# Altium PCB AutoinformerPCB.PcbDoc (part 2 of 2) (continued)
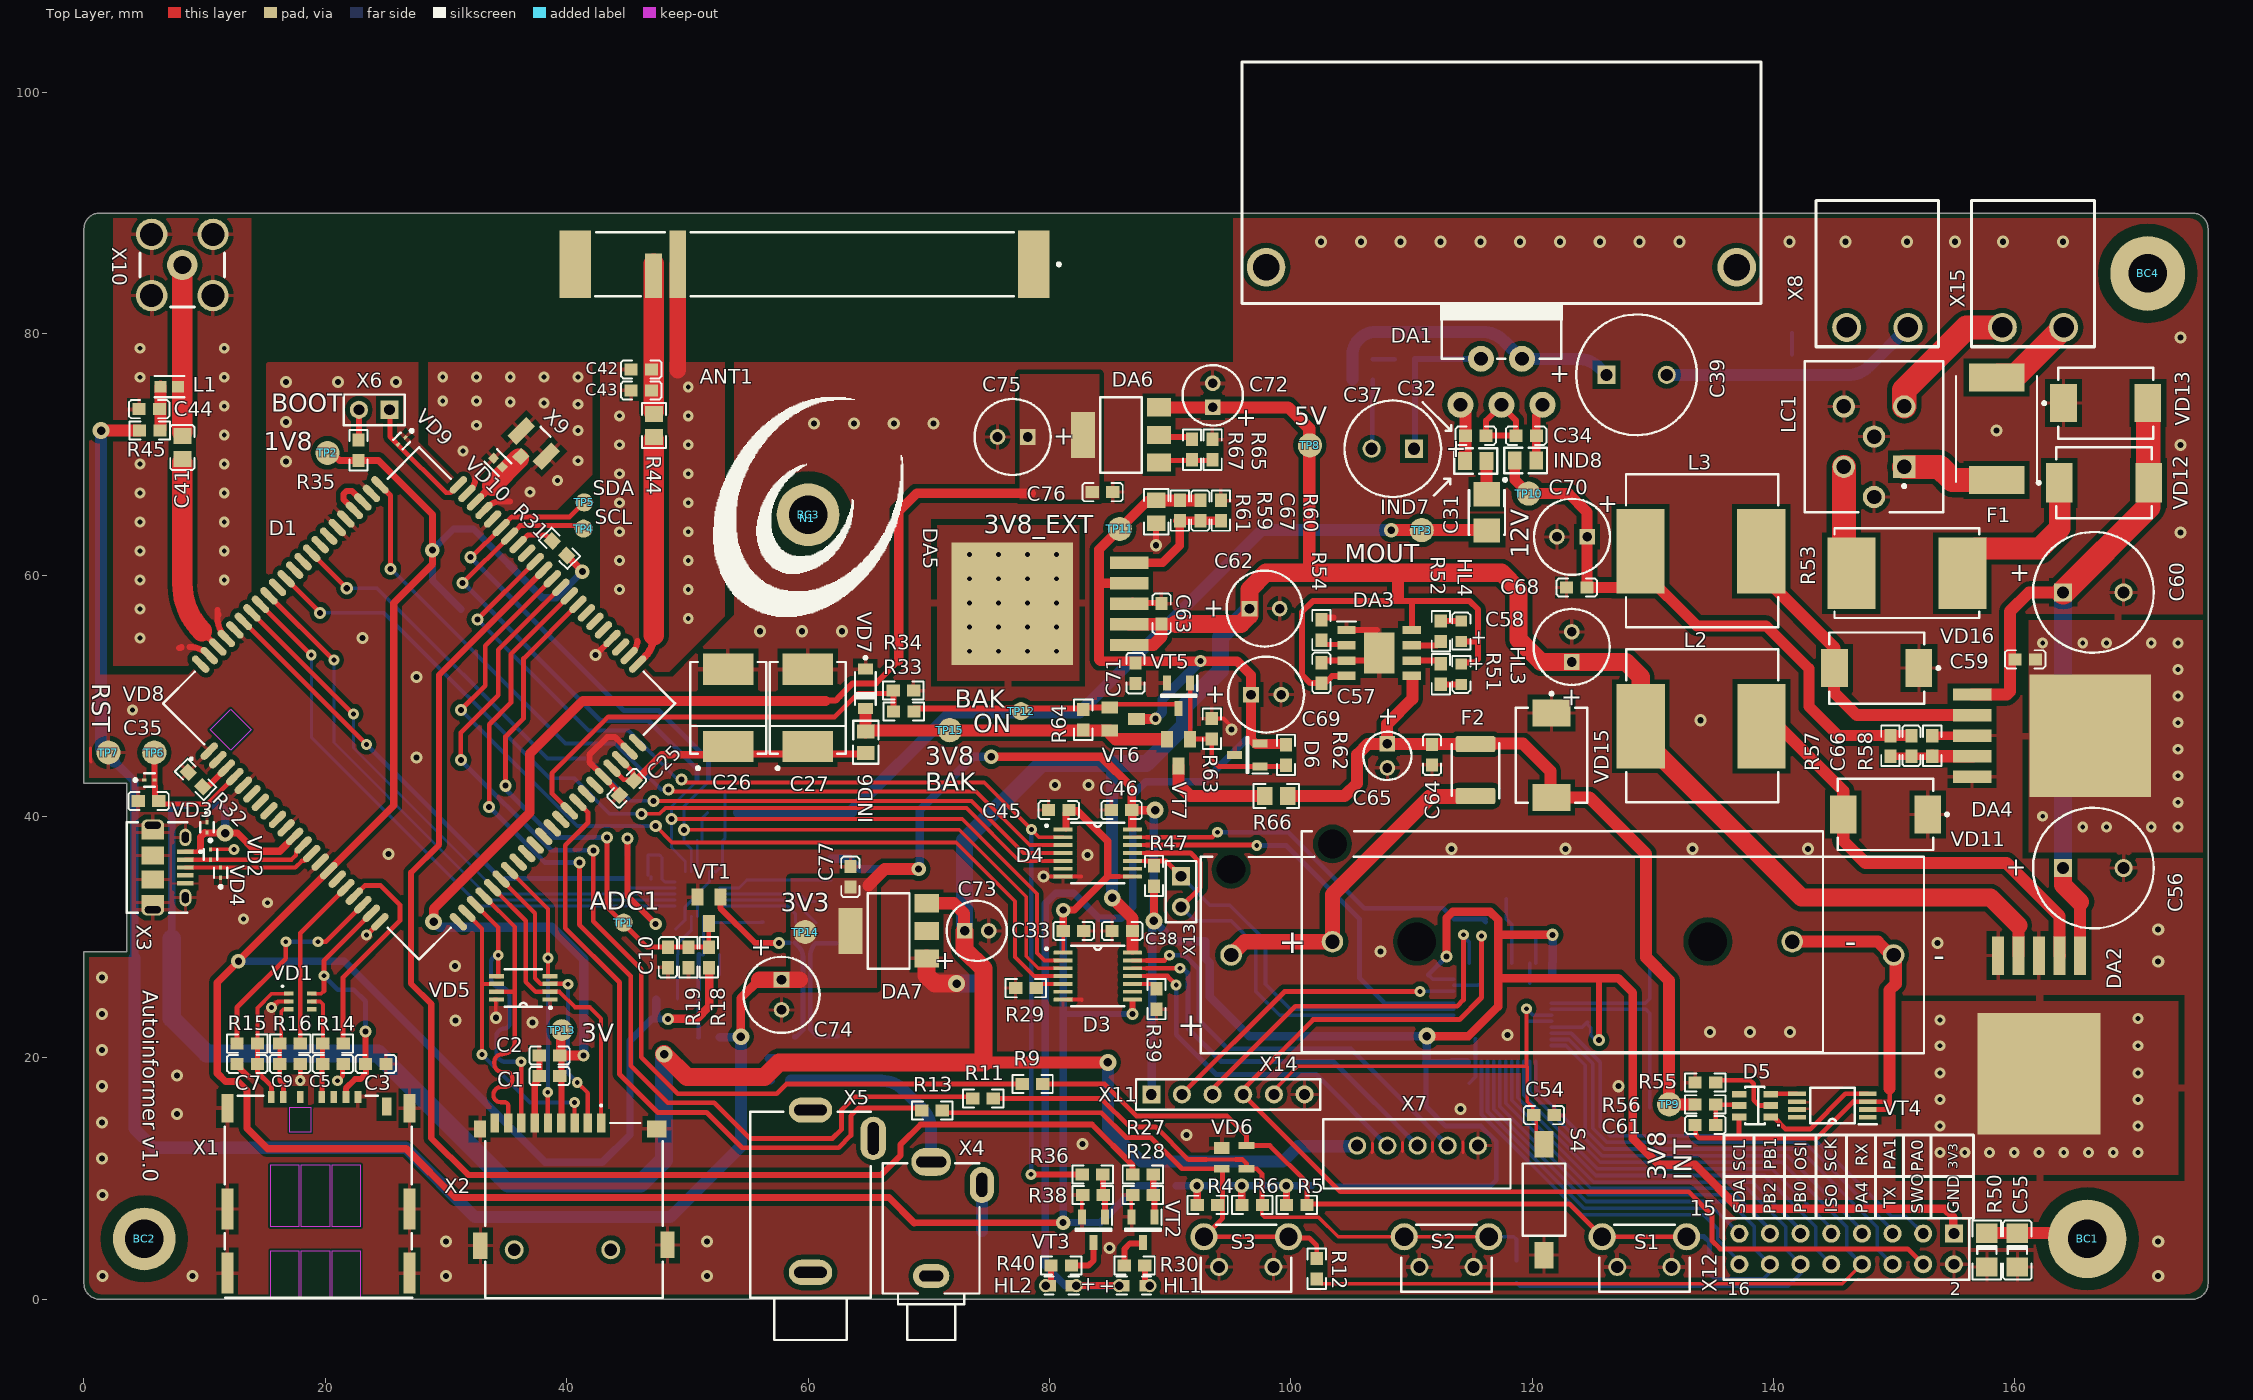
[diagram p0: Top Layer view]
## Nets (pads, with @x,y where several pads share a name; then routed paths per layer and width w, separated by ;. In a path a pad name is that pad's centre, name@x,y a point inside that pad or via, vN(x,y) a via of type N, cw(c..) or ccw(c..) an arc to the next point about the centre after c; other vN are vias at no path point) (continued)
  Bottom Layer w0.25: 58.305,32.57 58.975,31.9 C22.2@58.975,31.225
NetC23_2: C23.2 D2.19 | length 8.8
  Bottom Layer w0.24: D2.19@52.671,33.07 58.78,33.07 C23.2@60.65,31.2
NetC25_1: C25.1 C26.1 C27.1 D1.38 D1.39 IND6.1 | length 24.4
  Top Layer w0.4: D1.38@43.754,44.004 44.707,43.05 C25.1@45.8,43.05 ; D1.39@44.461,44.711 45.5,43.672 C25.1@45.5,43.075
  Top Layer w0.6: C25.1@45.8,43.05 47.875,45.125 53.325,45.125 53.375,45.175 59.975,45.175 59.985,45.185 IND6.1@64.775,45.185
NetC28_2: C28.2 D2.18 | length 8.2
  Bottom Layer w0.24: D2.18@52.671,33.57 59.305,33.57
  Bottom Layer w0.25: 59.305,33.57 59.9,32.975 C28.2@60.575,32.975
NetC29_2: C29.2 C30.2 D2.13 | length 5.1
  Bottom Layer w0.24: D2.13@50.82,35.421 C29.2@50.82,38
  Bottom Layer w0.25: C29.2@51.225,38 51.225,39.875 C30.2@51.675,40.325
NetC31_1: C31.1 IND7.1 | length 2.8
  Top Layer w1: IND7.1@116.215,69.45 116.215,66.735 C31.1@116.25,66.7 ; C31.1@116.22,66.58 C31.1@116.25,66.55
NetC32_1: C32.1 DA1.1 IND7.2 | length 4.4
  Top Layer w1: DA1.1@114.175,73.676 114.475,73.376 C32.1@114.475,71.55 114.455,71.55 114.455,69.47 IND7.2@114.435,69.45
NetC34_1: C34.1 DA1.5 IND8.2 | length 5
  Top Layer w0.5: IND8.2@120.34,69.5 IND8.2@120.345,69.505 ; C34.1@120.345,71.595 C34.1@120.35,71.6
  Top Layer w0.7: IND8.2@120.345,69.505 C34.1@120.345,71.595 ; C34.1@120.35,71.6 120.35,73.22 120.845,73.715 DA1.5@120.845,74.26
  Top Layer w1: DA1.5@120.845,74.26 DA1.5@120.85,74.265
NetC36_1: C36.1 C39.1 DA1.4 R41.1 | length 25.4
  Bottom Layer w1: R41.1@105.1,76.2 C36.1@105.1,77.9 105.1,78.212 cw(c107.038,78.212) 107.038,80.15 115.873,80.15 cw(c115.873,77.61) 117.669,79.406 DA1.4@119.15,77.925 123.773,77.925 cw(c123.773,75.385) 125.569,77.181 C39.1@126.15,76.6
NetC36_2: C36.2 R37.1 | length 1.8
  Bottom Layer w0.381: C36.2@106.8,77.9 R37.1@108.6,77.9
NetC37_1: C37.1 DA1.2 R37.2 | length 12.9
  Bottom Layer w0.5: C37.1@110.2,70.475 110.3,70.575 R37.2@110.3,77.9 110.312,77.913 115.738,77.913 DA1.2@115.75,77.925
NetC37_2: C37.2 R41.2 R42.1 | length 5.8
  Bottom Layer w0.381: C37.2@106.7,70.475 106.75,70.525 106.75,74.45 R42.1@106.8,74.5 R41.2@106.8,76.2
NetC40_2: C40.2 R43.1 | length 1.8
  Bottom Layer w0.3: C40.2@141.525,78.275 R43.1@141.525,80.1
NetC41_1: C41.1 L1.2 X10.1 | length 13.9
  Top Layer w1.698: C41.1@8.15,71.825 X10.1@8.15,85.7
NetC44_2: C44.2 L1.1 R45.1 | length 3.6
  Top Layer w1: L1.1@6.349,75.625 6.352,75.622 6.352,74.35 6.352,73.8 R45.1@6.352,72.05
NetC50_2: C50.2 DD1.5 Y1.2 | length 16.3
  Bottom Layer w0.3: DD1.5@121.6,24.525 126.025,24.525 129.375,24.525 129.75,24.9 Y1.2@129.75,29.15 C50.2@129.75,32.925
NetC51_2: C51.2 DD1.6 Y1.1 | length 16.1
  Bottom Layer w0.3: DD1.6@121.6,24.025 129.425,24.025 ; 129.425,24.025 129.75,23.7 Y1.1@129.75,19.65 C51.2@129.75,15.875
NetC61_1: C61.1 D5.5 R56.2 | length 3.7
  Top Layer w0.381: C61.1@135.2,14.45 R56.2@135.2,16.15 135.25,16.1 137.1,16.1 D5.5@137.15,16.05
NetC66_2: C66.2 DA4.4 R57.1 R58.2 | length 6.8
  Top Layer w0.6: R57.1@149.675,45.15 R57.1@149.775,45.15 ; R57.1@149.825,44.975 149.838,44.988 153.15,44.988 R58.2@153.225,44.988
  Top Layer w1: R58.2@153.15,45.033 R58.2@153.15,45.05 ; R58.2@153.225,44.992 DA4.4@156.506,44.992
NetC67_2: C67.2 DA5.5 R59.1 R60.2 | length 10.9
  Top Layer w0.7: DA5.5@86.611,61.027 89.377,61.027 90.8,62.45 R59.1@90.8,64.5 ; R60.2@94.2,64.5 C67.2@92.5,64.5 R59.1@90.8,64.5 ; R59.1@90.8,64.5 90.6,64.5 90.8,64.7 R59.1@90.8,64.5
NetD1_62: D1.62 D1.63 | length 3.8
  Top Layer w0.5: D1.63@22.399,65.358 22.399,65.385 21.497,66.287 21.497,66.702 21.773,66.978 22.194,66.978 D1.62@23.106,66.065
NetD3_5: D3.5 R29.1 | length 2.3
  Top Layer w0.3: R29.1@78.9,25.775 79.25,26.125 D3.5@81.055,26.125
NetD3_10: D3.10 R39.1 | length 2.1
  Top Layer w0.3: D3.10@86.87,26.125 88.4,26.125 88.75,25.775 R39.1@88.75,25.725
NetD5_1: D5.1 VT4.4 | length 9.7
  Top Layer w0.38: 145.95,17.025 VT4.4@147.813,17.025
  Top Layer w0.4: D5.1@139.75,15.1 140,15.1 141,14.1 143.025,14.1 145.95,17.025
NetD5_2: D5.2 R55.1 | length 6.3
  Top Layer w0.381: R55.1@135.1,18.15 138.05,18.15 138.35,17.85 138.35,16.473 138.773,16.05 D5.2@139.75,16.05
NetD5_3: D5.3 VT4.5 | length 2.2
  Top Layer w0.38: D5.3@139.775,17.024 VT4.5@141.937,17.025
NetD6_1: D6.1 R62.1 R63.1 VT5.1 VT7.1 | length 14.3
  Top Layer w0.381: VT7.1@91.65,46.4 91.675,46.425 R63.1@93.45,46.425 93.45,44.675 93.985,44.14 D6.1@97.45,44.14 99.545,44.14 R62.1@99.6,44.195 ; VT7.1@91.65,46.6 VT7.1@91.655,46.605 ; VT5.1@91.655,50.845 VT7.1@91.655,46.605 ; VT7.1@91.69,46.64 VT7.1@91.655,46.605
NetDA2_2: DA2.2 L2.1 VD11.2 | length 38.9
  Top Layer w1: L2.1@139,47.475 139,45.975 140.325,47.3 140.6,47.3 145.775,42.125 VD11.2@145.775,40.175 145.775,38 147.625,36.15 159.3,36.15 163.7,31.75 DA2.2@163.7,28.475 DA2.2@163.721,28.496
NetDA3_2: DA3.2 R54.2 | length 2.4
  Top Layer w0.381: R54.2@102.275,54.25 104.548,54.25 DA3.2@104.613,54.185
NetDA3_6: DA3.6 R51.1 | length 2.7
  Top Layer w0.381: DA3.6@110.02,52.933 DA3.6@110.037,52.915 ; R51.1@112.308,52.933 112.325,52.95 R51.1@112.725,52.95
  Top Layer w0.5: DA3.6@110.02,52.933 R51.1@112.308,52.933
NetDA3_7: DA3.7 R52.1 | length 2.8
  Top Layer w0.381: R52.1@112.375,54.55 R52.1@112.607,54.782
  Top Layer w0.5: DA3.7@110.037,54.185 112.11,54.185 R52.1@112.425,54.5
NetDA4_2: DA4.2 L3.1 VD16.2 | length 24.5
  Top Layer w1: L3.1@138.975,61.975 L3.1@139.025,61.925 ; L3.1@140.05,60.4 140.05,58.975 145.05,53.975 VD16.2@145.05,52.3 145,52.25 145,50.3 146.902,48.398 DA4.2@156.45,48.398
NetDA6_1: DA6.1 R65.2 R67.1 | length 4.6
  Top Layer w0.381: DA6.1@89.375,69.739 89.614,69.5 91.825,69.5 93.075,69.5 93.35,69.775 R65.2@93.525,69.95 ; R65.2@93.525,69.55 R65.2@93.725,69.55
NetF1_2: F1.2 LC1.1 | length 8.1
  Top Layer w2: LC1.1@150.825,68.975 153.725,68.975 154.825,67.875 F1.2@158.475,67.875
NetHL1_2: HL1.2 R30.2 | length 1.7
  Top Layer w0.5: HL1.2@87.9,1.125 R30.2@87.9,2.8
NetHL2_2: HL2.2 R40.2 | length 1.7
  Top Layer w0.5: HL2.2@80.1,1.125 80.113,1.138 80.113,2.788 R40.2@80.125,2.8
NetHL3_2: HL3.2 R51.2 | length 1.7
  Top Layer w0.5: R51.2@112.425,50.95 HL3.2@114.125,50.95
NetHL4_2: HL4.2 R52.2 | length 1.7
  Top Layer w0.5: R52.2@112.425,56.2 HL4.2@114.125,56.2
NetLC1_2: LC1.2 R53.1 | length 9.1
  Top Layer w1: R53.1@145.825,60.775 R53.1@146.45,60.15
  Top Layer w2: R53.1@145.825,60.775 LC1.2@145.825,68.975
NETLIGHT: D1.51 R27.1 | length 116.2
  Top Layer w0.5: D1.51@38.097,60.409 29.425,51.737 29.425,37.675 27.1,35.35 27.1,26.15 28.775,24.475 28.775,13.35 31.825,10.3 66.05,10.3 67.675,11.925 67.675,12.825 69.325,14.475 83.525,14.475 86.9,11.1 R27.1@86.9,10.275
NetR1_1: R1.1 R4.2 R5.2 R6.2 R7.2 | length 16
  Top Layer w0.6: v4@92.2,9.4 92.237,9.363 92.237,7.837 R4.2@92.25,7.825 ; v4@95.9,9.4 95.937,9.363 95.937,7.837 R6.2@95.95,7.825 ; v4(99.625,9.4) 99.637,9.388 99.637,7.837 R5.2@99.65,7.825
  Bottom Layer w0.6: R1.1@90.5,9.4 v4(92.225,9.4) v4(95.925,9.4) v4(99.625,9.4) R7.2@101.7,9.4
NetR2_2: R2.2 X4.3 | length 3.8
  Bottom Layer w1: R2.2@74.4,5.65 X4.3@74.4,9.475
NetR3_2: R3.2 X4.2 | length 16.6
  Bottom Layer w1: R3.2@58.6,18.125 66.098,18.125 ; 66.098,18.1 cw(c66.098,15.56) 67.894,17.356 69.458,15.792 cw(c67.665,14) 70.2,14 X4.2@70.2,11.375 X4.2@70.2,11.125
NetR4_1: R4.1 R12.2 R13.2 S3.3 S3.4 VD6.2 | length 42.3
  Top Layer w0.4: R13.2@71.125,15.65 71.325,15.45 84.3,15.45 86.35,13.4 88.4,13.4 90.985,10.815 VD6.2@94.275,10.815 94.35,10.74 94.35,6.725 S3.3@92.8,5.175 S3.4@99.8,5.175 99.9,5.075 101.525,5.075 102.15,4.45 R12.2@102.15,3.375 R12.2@102.15,3.3
NetR5_1: R5.1 R8.2 R9.2 S1.3 S1.4 VD6.4 | length 63
  Top Layer w0.4: R9.2@79.45,17.825 84.575,17.825 87.225,15.175 94.725,15.175 96.325,13.575 VD6.4@96.325,12.735 98.265,12.735 101.35,9.65 R5.1@101.35,8 ; R5.1@101.35,7.9 123.075,7.9 S1.3@125.8,5.175 S1.4@132.8,5.175
  Bottom Layer w0.4: S1.4@132.8,5.175 132.825,5.2 134.225,5.2 134.7,4.725 R8.2@134.7,3.8
NetR6_1: R6.1 R10.2 R11.2 S2.3 S2.4 VD6.3 | length 52.2
  Top Layer w0.3: 93,11.575 95.4,11.575 ; R6.1@97.65,8 97.6,7.95 97.6,7 97.8,6.8 102.3,6.8 103.925,5.175 S2.3@109.4,5.175 S2.4@116.4,5.175
  Top Layer w0.4: R11.2@75.35,16.625 84.3,16.625 86.65,14.275 88.8,14.275 91.5,11.575 93,11.575 ; 95.4,11.575 96,11.575 96.325,11.25 VD6.3@96.325,10.815 97.185,10.815 97.6,10.4 97.6,8.05 R6.1@97.65,8
  Bottom Layer w0.3: S2.4@116.4,5.175 118.475,5.175 118.7,4.95 R10.2@118.7,3.2
NetR27_2: R27.2 R28.2 VT2.1 | length 3.6
  Top Layer w0.5: R27.2@88.6,10.325 R28.2@88.6,8.625 R28.2@88.655,8.57 ; VT2.1@88.655,6.78 VT2.1@88.71,6.725 ; VT2.1@88.705,6.78 R28.2@88.705,8.57
NetR30_1: R30.1 VT2.3 | length 3.1
  Top Layer w0.5: R30.1@86.2,2.8 86.2,4.15 86.675,4.625 VT2.3@87.75,4.625
NetR35_2: R35.2 X6.2 | length 2.5
  Top Layer w0.3: R35.2@22.75,71.2 R35.2@22.78,71.23
  Top Layer w0.5: R35.2@22.78,71.23 X6.2@22.78,73.7
NetR36_2: R36.2 R38.2 VT3.1 | length 3.6
  Top Layer w0.4: R36.2@84.425,10.325 R36.2@84.438,10.313 ; R38.2@84.45,8.625 R38.2@84.61,8.465
  Top Layer w0.5: R36.2@84.425,10.325 84.425,8.65 R38.2@84.45,8.625 ; VT3.1@84.61,6.8 R38.2@84.61,8.465
NetR40_1: R40.1 VT3.3 | length 3.5
  Top Layer w0.5: R40.1@81.825,2.8 83.25,2.8 83.65,3.2 VT3.3@83.65,4.7
NetR53_2: R53.2 VD12.A | length 14
  Top Layer w1.8: R53.2@155.65,60.15 155.65,61.1 156.75,62.2 162.025,62.2 163.725,63.9 163.725,67.6 VD12.A@163.675,67.65
NetR66_1: R66.1 VT7.3 | length 9.1
  Top Layer w1: VT7.3@90.7,44.2 90.7,42.65 91.65,41.7 R66.1@97.85,41.7
NRST: C54.1 DD1.7 S4.1 X11.5 | length 36.8
  Top Layer w0.3: X11.5@98.575,16.975 98.575,17.3 100.575,19.3 119.6,19.3 ; v1(119.525,24.075) 119.525,19.375 119.6,19.3 ; C54.1@120.05,15.25 120.05,15.925 119.6,16.375 119.6,19.3 ; C54.1@120.325,14.975 120.325,12.65 S4.1@120.975,12
  Bottom Layer w0.3: v1(119.525,24.075) 120.075,23.525 DD1.7@121.6,23.525
PA0: DD1.10 X12.3 | length 40.8
  Bottom Layer w0.3: DD1.10@121.6,22.025 123.25,22.025 125.625,19.65 125.625,14.35 126.425,13.55 143.1,13.55 149.775,6.875 150.965,6.875 X12.3@152.4,5.44
PA1: DD1.11 X12.5 | length 38.2
  Bottom Layer w0.3: DD1.11@121.6,21.525 123.025,21.525 125.025,19.525 125.025,14.175 126.2,13 142.575,13 149.86,5.715 X12.5@149.86,5.44
PA4: DD1.14 R12.1 X12.8 | length 83.1
  Top Layer w0.3: R12.1@102.15,1.675 102.55,1.275 145.695,1.275 X12.8@147.32,2.9
  Bottom Layer w0.3: DD1.14@119.8,19.725 119.8,17.185 125.635,11.35 140.7,11.35 146.05,6 146.05,4.17 X12.8@147.32,2.9
PB0: DD1.18 R10.1 X12.12 | length 59.4
  Bottom Layer w0.3: DD1.18@117.8,19.725 117.8,16.25 124.85,9.2 137.8,9.2 141,6 141,4.14 X12.12@142.24,2.9 142.24,2.115 141.225,1.1 118.975,1.1 R10.1@118.7,1.375
PB1: DD1.19 X12.13 | length 30.7
  Bottom Layer w0.3: DD1.19@117.3,19.725 117.3,15.989 124.639,8.65 136.825,8.65 139.7,5.775 X12.13@139.7,5.44
PB2: DD1.20 R8.1 X12.14 | length 39.4
  Bottom Layer w0.3: DD1.20@116.8,19.725 116.8,15.782 124.482,8.1 136.325,8.1 138.4,6.025 138.4,4.2 X12.14@139.7,2.9 139.7,2.225 139.175,1.7 135.088,1.7 134.7,2.088 R8.1@134.612,2.088
PCM_CLK: D1.76 D2.9 R25.1 | length 45.6
  Top Layer w0.4: D1.76@13.207,56.166 v1(23.398,45.975)
  Bottom Layer w0.24: 45.33,34.07 D2.9@48.969,34.07
  Bottom Layer w0.25: R25.1@45.05,35.1 45.05,34.35 45.33,34.07
  Bottom Layer w0.4: v1(23.398,45.975) 34.523,34.85 44.8,34.85 R25.1@45.05,35.1
PCM_IN: D1.74 D2.6 | length 48.7
  Top Layer w0.25: v1@18.823,53.378 v1(18.836,53.378)
  Top Layer w0.4: D1.74@14.621,57.58 v1@18.823,53.378
  Bottom Layer w0.24: v1(18.836,53.378) 18.836,46.564 29.238,36.163 32.83,32.57 D2.6@48.969,32.57
PCM_OUT: D1.73 D2.7 | length 48.1
  Top Layer w0.3: v1@20.638,52.978 v1(20.705,52.978)
  Top Layer w0.4: D1.73@15.328,58.287 v1@20.638,52.978
  Bottom Layer w0.24: v1(20.705,52.978) 20.705,46.12 29.675,37.15 33.755,33.07 D2.7@48.969,33.07
PCM_SYNC: D1.75 D2.8 | length 46.4
  Top Layer w0.4: D1.75@13.914,56.873 22.287,48.5 v1(22.328,48.5)
  Bottom Layer w0.24: v1(22.328,48.5) 22.328,45.672 34.43,33.57 D2.8@48.969,33.57
PWRKEY: D1.3 R32.1 | length 2.5
  Top Layer w0.5: R32.1@9.926,42.599 9.961,42.564 10.352,42.564 D1.3@11.792,44.004
RESET: C35.1 D1.4 TP6.1 VD8.2 | length 11.6
  Top Layer w0.4: C35.1@6.125,41.275 6.375,41.025 10.228,41.025 D1.4@12.5,43.297
  Top Layer w0.5: TP6.1@5.825,45.3 5.845,45.28 VD8.2@5.845,43.025 5.845,42.58 5.9,42.525 5.9,41.525 6.15,41.275 C35.1@6.2,41.275
SD_CLK: D1.26 VD5.4 X2.5 | length 24.4
  Top Layer w0.35: D1.26@35.268,35.518 38.45,32.337 v1(38.45,28.275) 38.45,26.768 38.453,26.765 VD5.4@38.61,26.765 ; X2.5@38.4,14.75 38.475,14.825 38.4,14.9 38.425,14.925 38.4,14.95 38.45,15 38.425,15.025 v1(38.425,17.15)
  Top Layer w0.381: X2.5@38.4,14.75 X2.5@38.45,14.7
  Bottom Layer w0.35: v1(38.425,17.15) v1@38.425,17.056 ; v1(38.45,28.275) v1@38.45,17.031 ; v1@38.5,17.05 ccw(c38.5,16.975) v1@38.45,17.031 ; v1@38.425,17.056 v1@38.45,17.031 ; v1@38.425,17.056 38.425,16.975 cw(c38.5,16.975) v1@38.45,17.031
SD_CMD: D1.21 VD5.6 X2.3 | length 24.5
  Top Layer w0.35: D1.21@31.733,31.983 31.733,31.942 32.975,30.7 32.975,26.125 ; v1(32.975,20.275) 32.975,26.125 ; VD5.6@34.19,26.13 32.98,26.13 32.975,26.125 ; X2.3@40.65,14.6 v1(40.65,16.3)
  Bottom Layer w0.35: v1(32.975,20.275) 36.95,16.3 v1(40.65,16.3)
SD_D0: D1.22 VD5.5 X2.7 | length 24.4
  Top Layer w0.35: D1.22@32.44,32.69 34.325,30.805 v1(34.325,28.5) VD5.5@34.325,26.765 ; VD5.5@34.19,26.765 VD5.5@34.325,26.765 ; VD5.5@34.472,26.765 VD5.5@34.325,26.765 ; v1(36.225,19.675) 36.225,14.725 X2.7@36.25,14.7
  Bottom Layer w0.35: v1(34.325,28.5) ccw(c34.325,27.9) 33.725,27.9 33.725,26.625 ccw(c34.5,26.625) 34.5,25.85 cw(c34.5,25.1) 35.25,25.1 35.25,22.85 cw(c34.825,22.85) 34.825,22.425 ccw(c34.825,21.775) 34.175,21.775 34.175,20.425 ccw(c34.925,20.425) 34.925,19.675 v1(36.225,19.675)
SD_D1: D1.23 VD5.7 X2.8 | length 25.2
  Top Layer w0.35: D1.23@33.147,33.397 35.7,30.844 35.7,21.35 cw(c34.65,21.35) 34.65,20.3 ccw(c34.65,19.65) 34,19.65 34,19.506 ccw(c34.681,19.506) 34.681,18.825 34.975,18.825 cw(c34.975,18.3) 35.5,18.3 35.5,18.2 cw(c34.9,18.2) 34.9,17.6 34.6,17.6 ccw(c34.6,16.925) 33.925,16.925 ccw(c34.525,16.925) 34.525,16.325 34.85,16.325 cw(c34.85,16.025) 35.15,16.025 X2.8@35.15,14.6 ; VD5.7@34.19,25.47 35.675,25.47
SD_D2: D1.24 VD5.2 X2.1 | length 25
  Top Layer w0.35: D1.24@33.854,34.104 36.6,31.358 36.6,26.3 37.43,25.47 VD5.2@38.61,25.47 39.405,25.47 40.675,24.2 41.9,24.2 42.85,23.25 X2.1@42.85,14.7
SD_D3: D1.25 VD5.3 X2.2 | length 24.5
  Top Layer w0.35: D1.25@34.561,34.811 34.561,34.802 37.375,31.988 37.375,26.6 37.845,26.13 VD5.3@38.61,26.13 38.613,26.133 40.067,26.133 v1(40.1,26.1) ; v1(40.875,17.95) 41.75,17.075 X2.2@41.75,14.6
  Bottom Layer w0.35: v1(40.1,26.1) 40.1,18.725 v1(40.875,17.95)
SPEAKER: C39.2 C40.1 X8.2 | length 21.5
  Bottom Layer w1: C39.2@131.15,76.6 ccw(c131.21,76.66) 131.21,76.575 135.325,76.575 146.138,76.575 ccw(c146.138,79.115) 147.934,77.319 X8.2@151.14,80.525
SPI1_MISO: DD1.16 X12.10 | length 35.8
  Bottom Layer w0.3: DD1.16@118.8,19.725 118.8,16.707 125.257,10.25 139.25,10.25 143.5,6 143.5,4.18 X12.10@144.78,2.9
SPI1_MOSI: DD1.17 X12.11 | length 31.9
  Bottom Layer w0.3: DD1.17@118.3,19.725 118.3,16.5 125.1,9.7 138.275,9.7 142.24,5.735 X12.11@142.24,5.44
SPI1_SCK: DD1.15 X12.9 | length 33.3
  Bottom Layer w0.3: DD1.15@119.3,19.725 119.3,16.914 125.414,10.8 139.85,10.8 144.78,5.87 X12.9@144.78,5.44
SWCLK: DD1.37 X11.3 | length 32.3
  Top Layer w0.4: X11.3@93.495,16.975 93.495,17.395 100.375,24.275 113.775,24.275 114.3,24.8 v1(114.3,30.2)
  Bottom Layer w0.3: v1(114.3,30.2) 114.3,30.065 114.8,29.565 DD1.37@114.8,27.825
SWDIO: DD1.34 X11.2 | length 26.1
  Top Layer w0.4: X11.2@90.955,16.975 99.48,25.5 v1(110.7,25.5)
  Bottom Layer w0.3: v1(110.7,25.5) 110.725,25.525 DD1.34@113.5,25.525
SWO: DD1.39 X11.4 X12.4 | length 94.4
  Top Layer w0.4: v1(115.8,30.1) 115.8,25 113.975,23.175 101.85,23.175 95.855,17.18 95.843,17.167 104.11,8.9 132.975,8.9 134.9,6.975 134.9,4.85 135.575,4.175 151.125,4.175 X12.4@152.4,2.9 X12.4@152.3,2.9
  Bottom Layer w0.3: DD1.39@115.8,27.825 v1(115.8,30.1)
UART_RX: D1.68 D4.4 | length 72.6
  Top Layer w0.32: v2(47.2,41.3) 47.21,41.29 73.535,41.29 77.85,36.975 D4.4@81.13,36.975
  Top Layer w0.4: D1.68@18.864,61.823 v2(21.773,58.913)
  Bottom Layer w0.32: v2(21.773,58.913) 24.287,58.913 38.4,44.8 41.775,44.8 45.275,41.3 v2(47.2,41.3)
UART_RX_3V3: D4.11 DD1.30 R46.2 X13.2 | length 38.8
  Top Layer w0.32: D4.11@86.87,36.975 88.025,36.975
  Top Layer w0.4: 88.025,36.975 91.7,36.975 92.5,36.175 92.5,34.105 X13.2@90.9,32.505
  Bottom Layer w0.3: X13.2@90.9,32.505 92.055,31.35 R46.2@92.925,31.35 95.05,31.35 97.1,29.3 97.1,25.5 99.075,23.525 DD1.30@113.5,23.525
UART_TX: D1.71 D4.5 | length 74.5
  Top Layer w0.32: v2(46.2,40.225) 47.7,40.225 48.175,40.7 73.125,40.7 77.5,36.325 D4.5@81.13,36.325
  Top Layer w0.4: D1.71@16.749,59.701 v2(19.573,56.878)
  Bottom Layer w0.32: v2(19.573,56.878) 24.872,56.878 38.575,43.175 40.6,43.175 43.55,40.225 v2(46.2,40.225)
UART_TX_3V3: D4.10 DD1.31 R47.2 X13.1 | length 33.8
  Top Layer w0.32: D4.10@86.87,36.325 88.025,36.325
  Top Layer w0.4: 88.025,36.325 89.62,36.325 X13.1@90.9,35.045
  Bottom Layer w0.3: X13.1@90.9,35.045 93.295,32.65 94.95,32.65 97.9,29.7 97.9,26.1 99.975,24.025 DD1.31@113.5,24.025
USART2_RX: DD1.13 X12.7 | length 34.5
  Bottom Layer w0.3: DD1.13@120.3,19.725 120.3,17.393 125.793,11.9 141.15,11.9 147.32,5.73 X12.7@147.32,5.44
USART2_TX: DD1.12 X12.6 | length 40
  Bottom Layer w0.3: DD1.12@121.6,21.025 122.775,21.025 124.4,19.4 124.4,14.025 125.975,12.45 142.125,12.45 148.6,5.975 148.6,4.16 X12.6@149.86,2.9
USB_N: D1.12 VD2.2 X3.2 | length 10.4
  Top Layer w0.35: X3.2@8.4,36.425 10.2,36.425 17.2,36.425 17.573,36.798 17.573,37.056 D1.12@18.156,37.64
USB_P: D1.13 VD4.2 X3.3 | length 10.9
  Top Layer w0.35: X3.3@8.4,35.775 11.275,35.775 11.45,35.775 17.5,35.775 18.053,36.328 18.259,36.328 D1.13@18.864,36.933
USIM_CLK: D1.19 R15.1 | length 17.8
  Top Layer w0.4: R15.1@12.675,21.175 12.675,24.175 16.725,28.225 v1(16.725,29.625) ; v1(19.4,29.625) 20.041,29.625 D1.19@23.106,32.69
  Bottom Layer w0.4: v1(16.725,29.625) v1(19.4,29.625)
USIM_DATA: D1.17 R16.1 | length 14.5
  Top Layer w0.4: R16.1@17.925,21.175 17.925,30.337 D1.17@21.692,34.104
USIM_DET: D1.53
USIM_RST: D1.18 R14.1 | length 18.3
  Top Layer w0.4: R14.1@21.475,21.175 21.475,26.68 26.173,31.378 26.173,32.678 24.573,34.278 23.28,34.278 D1.18@22.399,33.397
USIM_VDD: C3.1 D1.20 VD1.6 X1.C1 | length 22.4
  Top Layer w0.3: VD1.6@18.875,25.325 19.662,25.325 19.875,25.538
  Top Layer w0.4: 19.875,25.538 v1(19.875,26.8) 19.875,28.045 D1.20@23.813,31.983 23.813,31.929 D1.20@23.774,31.929
  Top Layer w0.5: X1.C1@21.71,16.775 21.7,16.785 21.7,17.475 22.475,18.25 22.925,18.25 23.35,18.675 23.35,19.475 C3.1@23.325,19.5 v2(23.325,22.2)
  Bottom Layer w0.4: v1(19.875,26.8) 21.025,25.65 22.35,25.65 23.325,24.675 v2(23.325,22.2)
pads on no net: ANT1.1 ANT1.4 BC2.1 BC3.1 BC4.1 D1.6 D1.7 D1.8 D1.9 D1.16 D1.27 D1.28 D1.29 D1.30 D1.31 D1.32 D1.35 D1.36 D1.42 D1.44 D1.45 D1.66 D1.67 D1.69 D1.70 D1.72 D1.83 D1.84 D1.86 D2.14 D2.16 D3.6 D3.9 D4.6 D4.9 D5.4 DA1.19 DA1.20 DD1.2 DD1.3 DD1.4 DD1.25 DD1.26 DD1.27 DD1.28 DD1.29 DD1.33 DD1.38 DD1.40 DD1.41 DD1.45 DD1.46 VD1.4 VT4.1 VT4.8 X1.C6 X1.CD X1.CDL X2.9 X2.14 X2.15 X3.4 X5.1 X5.2 X5.3 X14.MH

## Polygon pours and split planes (outlines as drawn)
GND on Top Layer "BOARD_GND" (solid, remove dead copper, pour order 28): 1.3,89.575 1.3,51.725 8.65,51.725 15.1,58.175 15.1,77.65 27.7,77.65 27.7,71.065 47.165,51.6 48.775,51.6 53.875,56.7 53.875,77.649 74.825,77.65 95.25,77.649 95.25,89.575 174.4,89.575 cw(c174.4,88.4) 175.575,88.4 175.575,1.71 cw(c174.102,1.912) 174.102,0.425 1.5,0.425 cw(c1.5,1.5) 0.425,1.5 0.425,28.35 3.95,28.35 3.95,43.2 0.425,43.2 0.425,88.55 cw(c1.834,88.233)
GND on Top Layer "LM-12_GND" (solid, remove dead copper, pour order 38): 161.15,56.25 175.5,56.25 175.5,37.025 161.15,37.025
MAIN_GND on Top Layer "MAIN_GND" (solid, remove dead copper, pour order 34): 42.775,77.65 53.075,77.65 53.075,56.6 50.55,54.075 48.225,51.75 46.075,51.75 42.775,55.05
GNSS_GND on Top Layer "GNSS_GND" (solid, remove dead copper, pour order 30): 2.425,89.575 13.875,89.575 13.875,55.55 10.825,52.5 2.425,52.5
3V on Top Layer "Top Layer-3V" (solid, remove dead copper, pour order 14): 84.125,76.65 84.125,66.3 77.525,66.3 77.525,76.65
3V3 on Top Layer "3V3_L01_P000" (solid, remove dead copper, pour order 0): 65.675,25.8 65.675,34.9 58.575,34.9 58.575,25.8
AUX_GND on Top Layer "AUX_GND_POLY" (solid, remove dead copper, pour order 42): 42.1,77.65 42.1,70.614 42.1,68.325 36.048,62.274 28.525,70.016 28.525,77.65
GND on Top Layer "LM-5_GND" (solid, remove dead copper, pour order 40): 173.525,24.675 173.525,11.775 173.525,10.325 150.625,10.325 150.625,24.675
GND on Top Layer "Top Layer-GND" (solid, remove dead copper, pour order 16): 82.45,64.15 70.7,64.15 70.7,51.25 82.45,51.25
GND on Bottom Layer "BOARD_BOT_GND" (solid, remove dead copper, pour order 36): 0.389,88.879 cw(c1.565,88.284) 1.3,89.575 1.3,52.35 8.18,52.35 9.324,53.426 10.888,51.863 13.275,54.25 11.863,55.663 14.575,58.375 14.575,77.65 27.925,77.65 27.925,71.575 31.9,67.6 31.187,66.887 33.3,64.775 34.18,65.655 34.889,65.05 39.353,65.05 42.416,68.275 42.862,68.275 42.862,63.73 42.862,56.912 48.437,51.337 53.7,56.6 53.7,77.65 95.25,77.625 95.25,89.575 174.525,89.575 cw(c174.525,88.525) 175.575,88.525 175.575,1.45 cw(c174.55,1.45) 174.55,0.425 1.299,0.425 cw(c1.301,1.426) 0.3,1.426 0.298,28.65 3.65,28.65 3.65,42.9 0.32,42.9
AGND on Bottom Layer "AUDIO_GND" (solid, remove dead copper, pour order 20): 55,0.425 55,20.075 44.275,20.075 44.275,44.9 63.325,44.9 69.768,51.343 80.818,51.343 95.975,66.5 95.975,83.075 153.55,83.075 153.55,74.975 143.85,74.975 143.85,71.65 111.975,71.65 111.975,61.439 99.207,61.439 82.05,43.675 77.7,43.675 77.7,0.425
AUX_GND on Bottom Layer "AUX_GND_BOT_POLY" (solid, remove dead copper, pour order 44): 35.4,77.65 42.1,77.65 42.1,70.7 42.1,68.305 39.245,65.45 34.6,65.45 34.15,65.9 33.361,65.111 31.461,67.011 32.15,67.7 28.525,71.325 28.525,77.65
MAIN_GND on Bottom Layer "MAIN_GND_BOT" (solid, remove dead copper, pour order 26): 43.1,77.65 43.1,56.875 45.525,54.45 44.075,53 45.538,51.538 47.143,53.143 48.393,51.893 50.475,53.975 53.1,56.6 53.1,77.65
GNSS_GND on Bottom Layer "Bottom Layer-GND 2" (solid, remove dead copper, pour order 22): 2.425,89.575 13.975,89.575 13.975,58.4 11.375,55.8 12.875,54.3 10.838,52.263 9.3,53.8 8,52.5 2.425,52.5 2.425,53.8

## Other copper
Top Layer:
  pour cut-out: 76.875,51.25 82.45,51.25 82.45,57.4 82.925,57.4 82.925,50.775 76.875,50.775
  pour cut-out: 70.7,57.4 70.7,51.25 76.275,51.25 76.275,50.775 70.225,50.775 70.225,57.4
  pour cut-out: 82.45,58 82.45,64.15 76.875,64.15 76.875,64.625 82.925,64.625 82.925,58
  pour cut-out: 76.275,64.15 70.7,64.15 70.7,58 70.225,58 70.225,64.625 76.275,64.625
  pour cut-out: 161.775,24.675 150.625,24.675 150.625,14.1 150.125,14.1 150.125,25.175 161.775,25.175
  pour cut-out: 150.625,13.5 150.625,10.325 161.775,10.325 161.775,9.825 150.125,9.825 150.125,13.5
  pour cut-out: 162.375,10.325 173.525,10.325 173.525,17.2 174.025,17.2 174.025,9.825 162.375,9.825
  pour cut-out: 173.525,17.8 173.525,24.675 162.375,24.675 162.375,25.175 174.025,25.175 174.025,17.8
  pour cut-out: 161.15,46.95 161.15,56.25 168.225,56.25 168.225,56.75 160.65,56.75 160.65,46.95
  pour cut-out: 169.65,36.525 169.65,37.025 175.575,37.025 175.575,56.25 168.825,56.25 168.825,56.75 175.85,56.75 175.85,36.525
  pour cut-out: 161.15,46.35 161.15,37.025 168.404,37.025 168.404,36.525 160.65,36.525 160.65,46.35

## Silkscreen, mask and mechanical layers (free items; w line width, h text height)
Top Overlay:
  lines w0.2: 110.937,74.313 113.3,71.95 ; 111.85,66.6 113.225,67.975 ; 112.725,67.975 113.225,67.975 ; 112.85,71.95 113.3,71.95 ; 113.225,67.525 113.225,67.975 ; 113.3,72.425 113.3,71.95 ; 156.21,6.71 156.55,6.71
  lines w0.25: 135.89,6.71 135.89,13.6 156.55,13.6 156.55,6.71 ; 135.95,10.15 156.55,10.15 ; 138.375,6.775 138.375,13.575 ; 140.925,6.775 140.925,13.575 ; 143.525,6.8 143.525,13.55 ; 146.05,6.775 146.05,13.55 ; 148.45,6.775 148.45,13.55 ; 150.75,6.775 150.75,13.575 ; 153.05,6.75 153.05,13.575
  text "BOOT" at 15.5,73.55 h1.52
  text "5V" at 100.275,72.475 h1.52
  text "1V8" at 14.9,70.35 h1.52
  text "SDA" at 42.15,66.625 h1.2
  text "SCL" at 42.325,64.2 h1.2
  text "3V8_EXT" at 74.575,63.45 h1.52
  text "12V" at 119.7,61.4 h1.52 r90
  text "MOUT" at 104.475,61.075 h1.52
  text "RST" at 0.675,51.05 h1.52 r270
  text "BAK" at 72.15,49 h1.52
  text "ON" at 73.675,46.975 h1.52
  text "3V8" at 69.725,44.3 h1.52
  text "BAK" at 69.725,42.15 h1.52
  text "ADC1" at 41.9,32.275 h1.52
  text "3V3" at 57.75,32.15 h1.52
  text "Autoinformer v1.0" at 4.4,25.6 h2.2 r270
  text "3V" at 41.2,21.325 h1.52
  text "RX" at 147.8,11 h1 r90
  text "3V3" at 155.25,10.75 h0.8 r90
  text "PB1" at 140.225,10.725 h1 r90
  text "PA1" at 150.125,10.7 h1 r90
  text "OSI" at 142.75,10.675 h1 r90
  text "SCL" at 137.65,10.6 h1 r90
  text "PA0" at 152.4,10.575 h1 r90
  text "SCK" at 145.25,10.55 h1 r90
  text "INT" at 133.225,9.875 h1.52 r90
  text "3V8" at 131.05,9.85 h1.52 r90
  text "TX" at 150.125,7.525 h1 r90
  text "ISO" at 145.275,7.175 h1 r90
  text "PB0" at 142.7,7.125 h1 r90
  text "PA4" at 147.8,7.1 h1 r90
  text "GND" at 155.375,7.1 h1 r90
  text "SDA" at 137.65,7.075 h1 r90
  text "SWO" at 152.425,7.075 h1 r90
  text "PB2" at 140.2,7.05 h1 r90
Bottom Overlay:
  lines w0.2: 54.875,37.95 54.875,37.625 ; 55.25,37.625 54.875,37.625 ; 55.875,38.625 54.875,37.625
  text "Solder ONLY One" at 103.4,10.975 h2
  text "1V8" at 87.075,9.75 h2
  text "3V3" at 108.225,9.75 h2
  text "pull-up" at 87.175,8 h2
  text "pull-up" at 110.4,8 h2
Top Solder:
  lines w1.5: 174.825,0.825 174.825,16.35
  lines w3: 1.925,0 1.925,28.775
Bottom Solder:
  lines w1.5: 174.825,0.825 174.825,16.35
  lines w3: 1.925,0 1.925,28.775
Mechanical 4:
  the board outline again, w0.254
Mechanical 13:
  lines w0.2: 0.6,35.775 5.7,35.775 ; 39.3,88.65 39.3,82.85 40.325,82.85 80.1,82.85 ; 80.3,89.9 80.3,77.9 20.3,77.9 ; 20.3,77.9 20.3,89.9 20.3,77.9
  lines w0.25: 58.825,-19.1 58.825,-10 59.425,-9.4 61.025,-9.4 61.625,-10 61.625,-19.1 ; 69.05,-19.1 69.05,-13.4 69.45,-13 70.65,-13 71.05,-13.4 71.05,-19.1 ; 52.225,-25.9 72.65,-25.9 72.65,-19.1 52.225,-19.1 52.225,-25.9

## Text inside footprints (layer, text, board x,y; h text height)
C37: Top Overlay "+" at 112.85,69.775 h1.5
C39: Top Overlay "+" at 123.15,77.3 h1.5 r180
C56: Top Overlay "+" at 161,36.425 h1.5 r180
C58: Top Overlay "+" at 122.625,50.7 h1.5 r270
C60: Top Overlay "+" at 161.25,60.825 h1.5 r180
C62: Top Overlay "+" at 94.475,57.875 h1.5 r180
C65: Top Overlay "+" at 108.75,47.375 h1.5 r90
C69: Top Overlay "+" at 94.6,50.75 h1.5 r180
C70: Top Overlay "+" at 125.407,65.225 h1.5
C72: Top Overlay "+" at 95.65,73.875 h1.5 r270
C73: Top Overlay "+" at 72.25,28.675 h1.5 r180
C74: Top Overlay "+" at 56.775,28.25 h1.5 r90
C75: Top Overlay "+" at 80.3,70.8 h1.5
HL1: Top Overlay "+" at 84.09,0.525 h1.2
HL2: Top Overlay "+" at 83.91,1.725 h1.2 r180
HL3: Top Overlay "+" at 114.875,53.3 h1.2 r270
HL4: Top Overlay "+" at 116.125,54.1 h1.2 r90
X12: Top Overlay "16" at 136.15,0.35 h1.1; Top Overlay "15" at 133.075,6.9 h1.27; Top Overlay "2" at 154.6,0.325 h1.1
X14: Top Overlay "+" at 90.575,21.775 h2; Top Overlay "+" at 99,28.65 h2; Top Overlay "-" at 153.22,27.555 h2; Top Overlay "-" at 145.89,28.695 h2